# KiCad board squishy.kicad_pcb (continued)
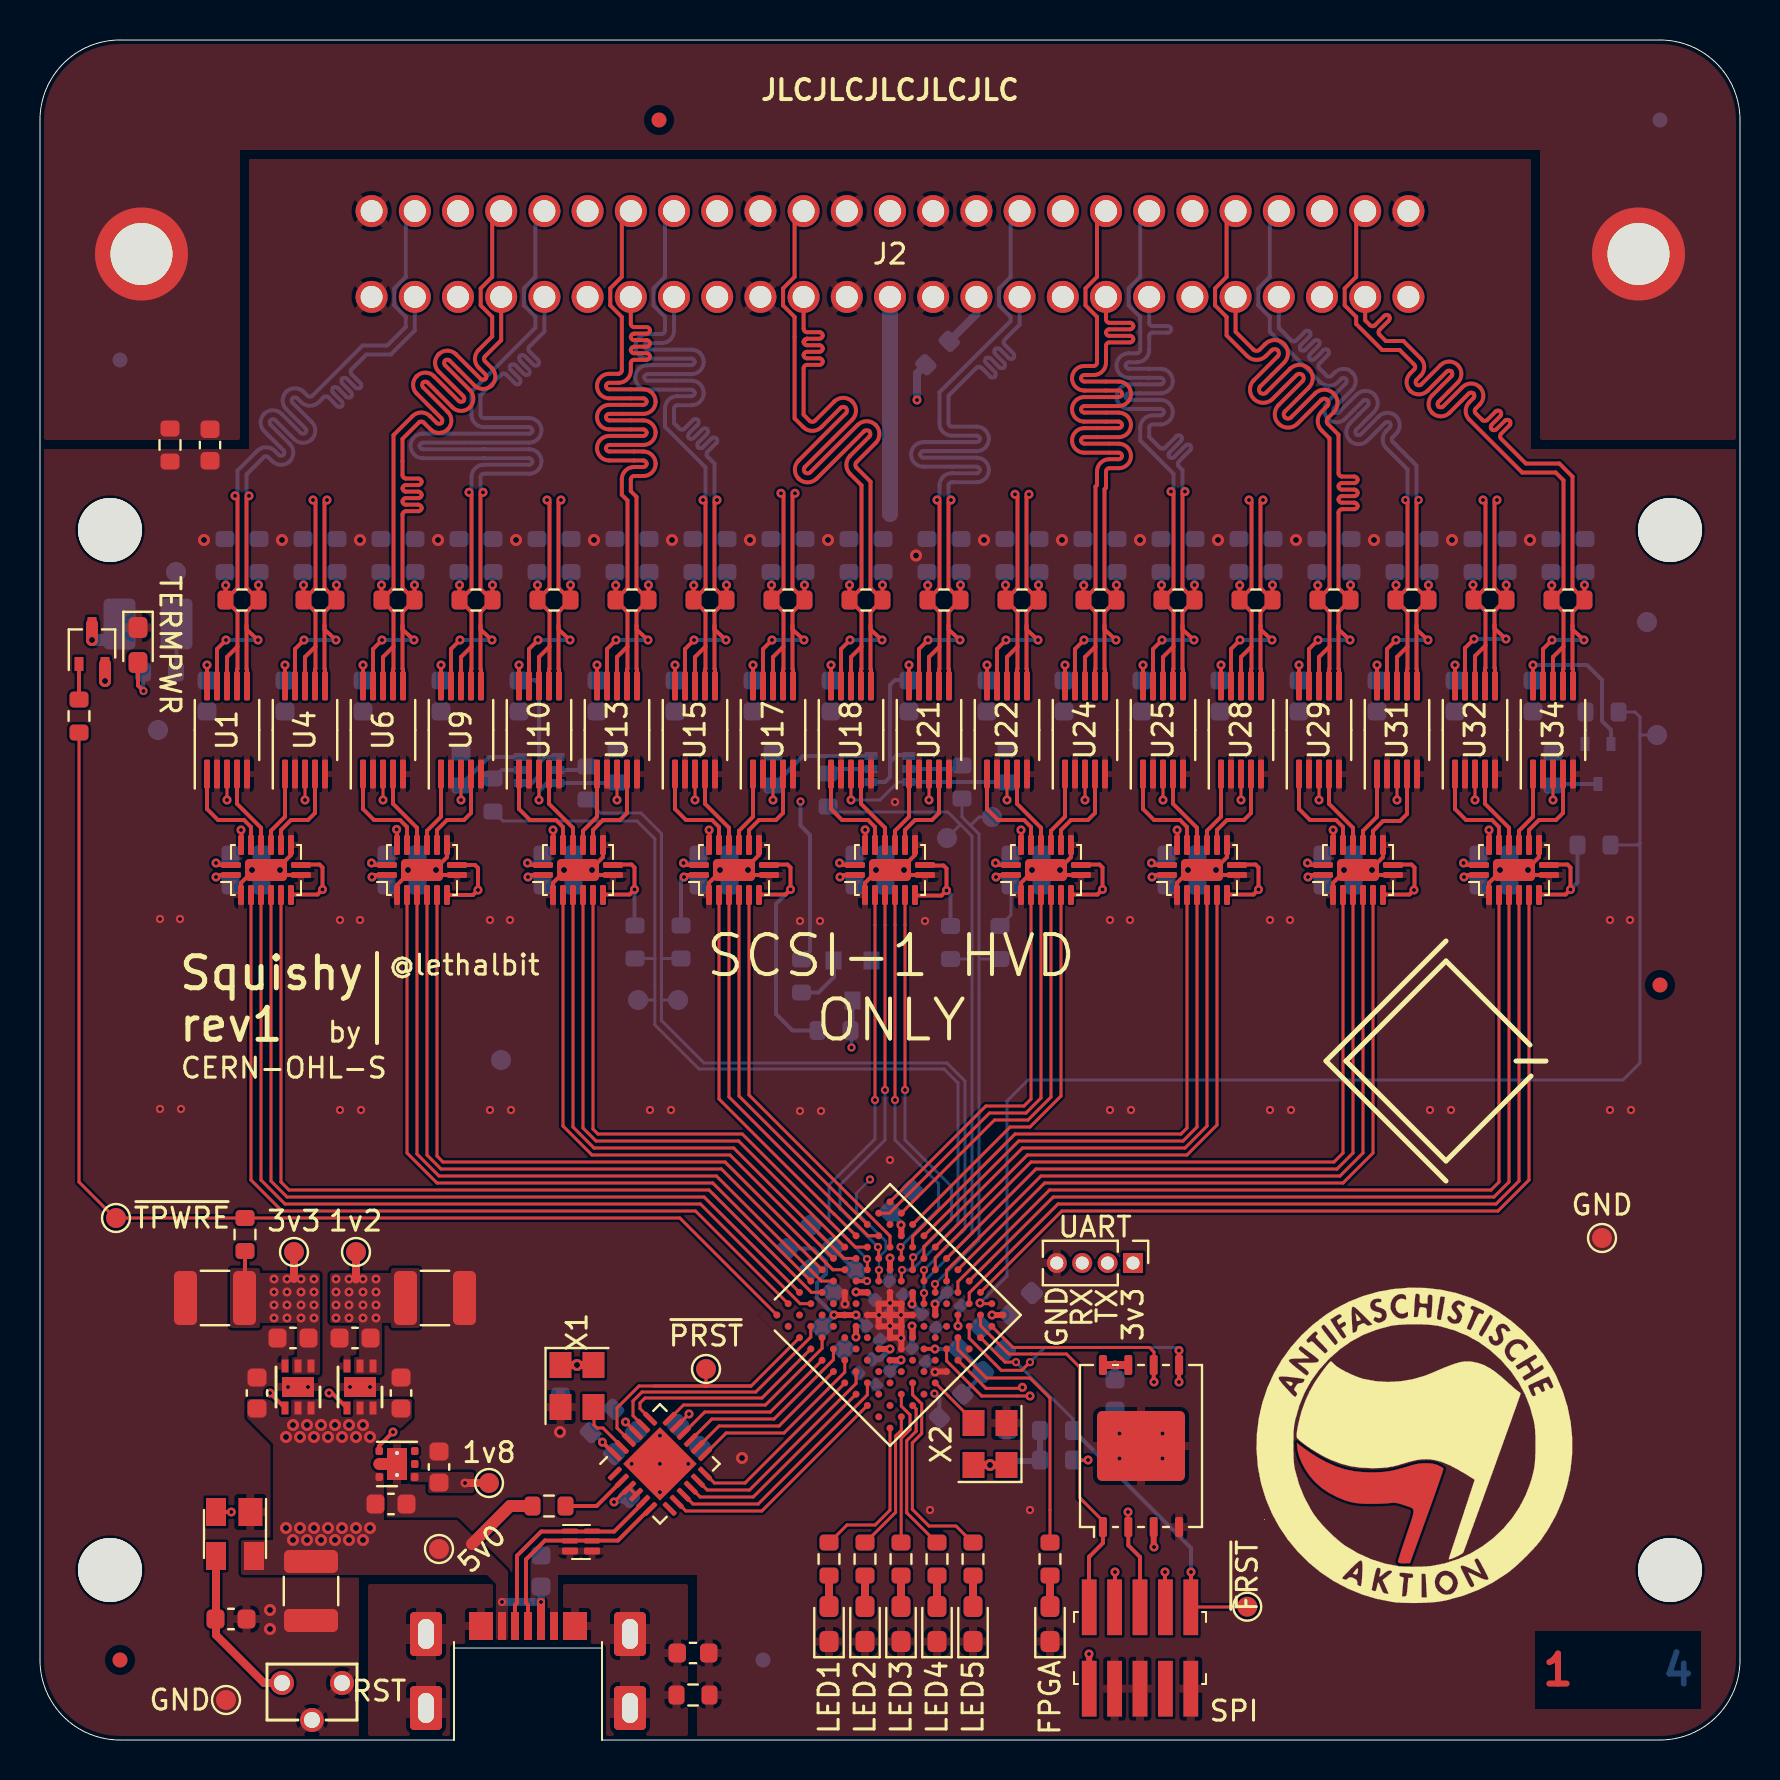
[diagram p0: board, top side]
## Routing (per net, layer and track width the routed paths; a pad name or vN(x,y) marks a point on that pad's centre or on a via; arc(x,y) is an arc through that point) (continued)
  Top w0.3: U19.L11 v2(47.6,21.25) ; U19.E4 40.8,20.1 v2(40.8,20.15) ; U19.C10 43.07,25.73 v2(43.05,25.75) ; J4.1 52.46,4.29 v2(52.45,4.3) ; X2.4 46.66,13.74 ; v2(43.6,21.8) 43.63,21.83 U19.F8 ; U19.G4 42.5,19.55 v2(42.5,19.55) ; v2(55.7,9.65) 55.69,9.66 U26.3 ; v2(43.6,20.7) 43.63,20.67 U19.H6 ; U19.D6 40.82,22.38 v2(40.8,22.4)
  Top w0.4: 46.65,13.75 v1(47.5,13.75) X2.1 ; 27.7,18.75 v1(26.85,18.75) 26,18.75 ; TP1.1 12.7,23.05 ; 54.35,18.75 v2(53.75,18.75) 53.2,18.75
  In1.Cu w0.2: v2(40,43.15) 40,42.55 ; v2(8.8,43.15) 8.8,42.7 ; v2(63.4,43.15) 63.4,42.5 ; v2(71.2,43.15) 71.2,42.6 ; v2(16.6,43.15) 16.6,42.6 ; v2(32.2,43.15) 32.2,42.55 ; v2(24.4,43.15) 24.4,42.6 ; v2(47.8,43.15) 47.8,42.5 ; v2(55.6,43.15) 55.6,42.6
  In1.Cu w0.4: v2(28.7,11.9) 27.35,11.9 26.85,12.4 v1(26.85,18.75) ; 53.75,20.65 49.75,16.65 47.75,16.65 47.5,16.9 ; 53.75,20.65 54.65,21.55 J3.1 ; 53.75,20.65 v2(53.75,18.75) ; v1(26.85,18.75) 26.85,24.25 ; v1(26.85,18.75) 31.85,18.75 32.45,18.15 v2(32.45,16.3) ; 47.5,16.9 45.8,18.6 ; 47.5,16.9 v1(47.5,13.75)
  In2.Cu w0.2: v2(56.86,45.5) 56.86,43.71 56.32,43.17 55.62,43.17 ; 24.43,43.17 25.12,43.17 25.66,43.71 v2(25.65,45.5) ; v2(41.26,45.51) 41.26,43.66 40.72,43.12 40.03,43.12 ; v2(10.05,45.5) 10.06,43.71 9.53,43.17 8.82,43.17 ; v2(64.66,45.5) 64.66,43.71 64.12,43.17 63.43,43.17 ; v2(33.46,45.5) 33.46,43.71 32.93,43.17 32.22,43.17 ; v2(49.05,45.5) 49.06,43.71 48.53,43.17 47.82,43.17 ; v2(16.6,43.15) 17.3,43.15 17.83,43.68 v2(17.83,45.53) ; v2(72.45,45.5) 72.46,43.71 71.93,43.17 71.22,43.17
  In2.Cu w0.3: v2(52.45,4.3) 55.7,7.55 v2(55.7,9.65) 55.05,10.3 55.05,16.3 53.75,17.6 v2(53.75,18.75)
  Bottom w0.152: R37.1 48.55,41.25 48.55,42.75 ; 29.45,12.15 29.2,11.9 v2(28.7,11.9) ; v2(32.45,16.3) 31.9,15.75
  Bottom w0.2: v2(63.4,43.15) 63.7,43.15 64.1,42.75 ; 29.75,40.7 29.72,40.72 v2(29.72,42.52) ; v2(71.2,43.15) 71.5,43.15 71.9,42.75 ; R40.1 45.53,42.27 v2(45.32,42.47) ; v2(37.53,42.52) 36.8,41.8 36.8,36.3 37.62,35.47 R87.1 ; v2(47.8,43.15) 48.1,43.15 48.5,42.75 ; v2(16.6,43.15) 16.9,43.15 17.3,42.75 ; v2(24.4,43.15) 24.7,43.15 25.1,42.75 ; v2(55.6,43.15) 55.9,43.15 56.3,42.75 ; R67.1 32.05,43 v2(32.2,43.15) 32.5,43.15 32.9,42.75 ; R30.1 76.88,42.88 v2(76.53,42.52) ; v2(40,43.15) 40.3,43.15 40.7,42.75 ; v2(8.8,43.15) 9.1,43.15 9.5,42.75
  Bottom w0.3: 50,13.97 49.98,13.95 C29.1 ; v2(42.5,19.55) 41.99,19.04 C44.2 ; v2(43.05,25.75) 43.05,25.85 42.5,26.4 ; 41.8,21.95 41.35,22.4 v2(40.8,22.4) ; v2(43.6,21.8) 44.1,21.3 ; R53.2 50,14.02 50.03,14 ; v2(47.6,21.25) 48.5,21.25 ; v2(43.6,20.7) 43.6,19.6
  Bottom w0.4: 53.75,18.02 v2(53.75,18.75) ; 48.35,13.95 48.15,13.75 v1(47.5,13.75) ; v1(26.85,18.75) 26,18.75
  vias: v2(11.7,23.05) v2(11.7,22.4) v2(11.7,21.75) v2(11.7,21.1) v2(12.35,23.05) v2(12.35,22.4) v2(12.35,21.75) v2(12.35,21.1) v2(13.05,23.05) v2(13.05,22.4) v2(13.05,21.75) v2(13.05,21.1) v2(13.7,23.05) v2(13.7,22.4) v2(13.7,21.75) v2(13.7,21.1) v2(68.7,42.5)
+5V: length 98.9
  Top w0.2: U32.10 v2(70.75,53.75) ; 56.32,43.75 55.68,43.75 v2(55.57,43.85) ; v2(24.38,43.85) 24.47,43.75 25.12,43.75 ; 64.12,43.75 63.47,43.75 v2(63.38,43.85) ; 71.93,43.75 71.28,43.75 v2(71.18,43.85) ; U17.10 v2(35.65,53.75) ; U29.10 v2(62.95,53.75) ; U9.10 v2(20.05,53.75) ; v2(47.78,43.85) 47.88,43.75 48.53,43.75 ; v2(16.57,43.85) 16.68,43.75 17.32,43.75 ; U13.10 v2(27.85,53.75) ; U6.10 v2(16.15,53.75) ; 40.72,43.75 40.07,43.75 v2(39.97,43.85) ; U4.10 v2(12.25,53.75) ; U10.10 v2(23.95,53.75) ; U1.10 v2(8.35,53.75) ; U2.16 8.9,43.75 v2(8.8,43.85) ; U18.10 v2(39.55,53.75) ; U24.10 v2(51.25,53.75) ; U21.10 v2(43.45,53.75) ; U25.10 v2(55.15,53.75) ; 32.93,43.75 32.28,43.75 v2(32.18,43.85) ; U22.10 v2(47.35,53.75) ; U34.10 v2(74.65,53.75) ; U15.10 v2(31.75,53.75) ; U28.10 v2(59.05,53.75) ; U31.10 v2(66.85,53.75)
  Top w0.4: J1.4 v3(25.05,6.9)
  Top w0.6: Q1.2 v1(3.25,52.95) ; R7.2 23.5,11.7 21.6,9.8
  In1.Cu w0.2: v2(8.8,43.85) 8.8,44.35 ; v2(16.57,43.85) 16.57,44.22 ; v2(47.78,43.85) 47.78,44.42 ; 63.3,44.55 63.38,44.47 v2(63.38,43.85) ; v2(39.97,43.85) 39.97,44.38 ; v2(71.18,43.85) 71.18,44.33 ; v2(55.57,43.85) 55.57,44.38 ; v2(24.38,43.85) 24.38,44.33 ; v2(32.18,43.85) 32.18,44.38
  In1.Cu w0.4: v2(43.85,67) 43,66.15 43,54.25
  Bottom w0.2: v2(71.18,43.85) 71.53,43.85 C14.1 ; v2(16.15,53.75) 16.15,53 ; v2(8.8,43.85) 9.15,43.85 9.55,44.25 ; Q2.2 78.55,50.5 78.1,50.95 78.1,53 77.35,53.75 v2(74.65,53.75) 74.65,53 ; v2(16.57,43.85) 16.93,43.85 C64.2 ; C18.1 63.72,43.85 v2(63.38,43.85) ; v2(35.65,53.75) 35.65,53 ; Q3.1 42.25,47.9 42.5,48.15 42.5,48.9 ; v2(47.78,43.85) 48.12,43.85 C27.1 ; v2(70.75,53.75) 70.75,53 ; 42.5,48.9 42.5,52.75 42.75,53 43.4,53 ; 42.5,48.9 42.85,49.25 43.45,49.25 ; v2(47.35,53.75) 47.35,53 ; C51.2 32.53,43.85 v2(32.18,43.85) ; v2(51.25,53.75) 51.25,53 ; v2(8.35,53.75) 8.35,53 ; 24.95,48.85 25.25,49.15 Q4.1 ; 24.95,48.85 24.95,52.8 24.75,53 23.95,53 v2(23.95,53.75) ; 24.95,48.85 24.95,48.2 24.6,47.85 Q4.4 ; v2(55.15,53.75) 55.15,53 ; v2(39.55,53.75) 39.55,53 ; C23.2 55.93,43.85 v2(55.57,43.85) ; v2(39.97,43.85) 40.32,43.85 C43.2 ; v2(59.05,53.75) 59.05,53 ; v2(24.38,43.85) 24.72,43.85 C59.2 ; v2(31.75,53.75) 31.75,53 ; v2(12.25,53.75) 12.25,53 ; v2(20.05,53.75) 20.05,53 ; v2(43.45,53.75) 43.45,53 ; v2(66.85,53.75) 66.85,53 ; v2(62.95,53.75) 62.95,53 ; v2(27.85,53.75) 27.85,53
  Bottom w0.4: C60.2 v3(25.05,6.9) v3(23.1,6.9) ; R77.2 43.85,68.32 v2(43.85,67)
  vias: v1(12.3,15.15) v1(12.3,10.6) v1(12.65,15.75) v1(12.65,10) v1(13,15.15) v1(13,10.6) v1(13.35,15.75) v1(13.35,10) v1(13.7,15.15) v1(13.7,10.6) v1(14.05,10) v1(14.05,15.75) v1(14.4,15.15) v1(14.4,10.6) v1(14.75,15.75) v1(14.75,10) v1(15.1,15.15) v1(15.1,10.6) v1(15.45,15.75) v1(15.45,10) v1(15.8,15.15) v1(15.8,10.6) v1(16.15,15.75) v1(16.15,10) v1(16.5,15.15) v1(16.5,10.6)
/VBUS: length 3.3
  Top w0.2: 26.3,11.7 27.83,11.7 U14.2
GND: length 62.5
  Top w0.2: U16.2 33.45,42.85 34,43.4 v1(34,43.5) ; U27.8 59.05,43.25 v1(58.8,43.5) 58.8,43.6 59.35,44.15 U27.10 ; v1(18.4,43.5) 18.4,43.3 17.85,42.75 U8.2 ; U23.8 51.25,43.25 v1(51,43.5) 51,43.6 51.55,44.15 U23.10 ; U20.8 43.45,43.25 v1(43.2,43.5) 43.2,43.7 43.75,44.25 U20.10 ; U11.10 28.15,44.15 27.6,43.6 v1(27.6,43.5) 27.85,43.25 U11.8 ; v1(65.2,43.5) 65.2,43.4 64.65,42.85 U30.2 ; U8.8 20.05,43.25 v1(19.8,43.5) 19.8,43.6 20.35,44.15 U8.10 ; U16.8 35.65,43.25 v1(35.4,43.5) 35.4,43.7 35.95,44.25 U16.10 ; U33.2 72.45,42.85 73,43.4 v1(73,43.5) ; U33.8 74.65,43.25 v1(74.4,43.5) 74.4,43.6 74.95,44.15 U33.10 ; v1(57.4,43.5) 57.4,43.4 56.85,42.85 U27.2 ; U30.8 66.85,43.25 v1(66.6,43.5) 66.6,43.6 67.15,44.15 U30.10 ; v1(26.2,43.5) 26.2,43.4 25.65,42.85 U11.2 ; U2.10 12.55,44.25 12,43.7 v1(12,43.5) 12.25,43.25 U2.8 ; v1(41.8,43.5) 41.8,43.4 41.25,42.85 U20.2 ; v1(10.6,43.5) 10.6,43.4 10.05,42.85 U2.2 ; U23.2 49.05,42.85 49.6,43.4 v1(49.6,43.5)
  Top w0.3: v2(42.5,20.7) 42.52,20.68 U19.G6 ; v2(42.5,20.7) 42.48,20.68 U19.F5 41.93,21.23 v2(41.95,21.25) ; v2(42.5,20.7) U19.F6 ; v2(42.5,20.7) U19.G5 43.03,20.12 v2(43.05,20.1) ; U19.G7 v2(43.05,21.25) ; v2(43.05,21.25) 43.07,21.23 U19.G6 ; v2(43.05,21.25) U19.F6 ; v2(43.05,21.25) 43.07,21.27 U19.F7 42.53,21.82 v2(42.5,21.85) ; v2(42.5,21.85) U19.E7 ; v2(42.5,21.85) U19.F6 ; v2(42.5,21.85) 42.47,21.82 U19.E6 41.93,21.27 v2(41.95,21.25) ; v2(40.25,21.8) 40.24,21.81 U19.C5 ; v2(41.95,21.25) U19.F6 ; v2(41.95,21.25) U19.E5 ; U19.H5 43.07,20.08 v2(43.05,20.1) ; U19.L6 44.77,18.42 v2(44.75,18.4) ; U19.G6 43.07,20.12 v2(43.05,20.1)
  Top w0.6: U7.5 U7.7
  Bottom w0.2: v1(19.8,43.5) v1(18.4,43.5) ; v1(58.8,43.5) v1(57.4,43.5) ; v1(51,43.5) v1(49.6,43.5) ; v1(27.6,43.5) v1(26.2,43.5) ; v1(12,43.5) v1(10.6,43.5) ; v1(74.4,43.5) v1(73,43.5) ; v1(66.6,43.5) v1(65.2,43.5) ; v1(43.2,43.5) v1(41.8,43.5) ; v1(35.4,43.5) v1(34,43.5)
  vias: v1(8.2,60) v1(11.5,6.5) v1(11.5,5.55) v1(12.1,60) v1(16,60) v1(19.9,60) v1(23.8,60) v1(26,15.4) v1(27.7,60) v1(31.6,60) v1(35.1,14.1) v1(35.5,60) v1(39.4,60) v1(43.8,59.22) v1(47.2,60) v1(51.1,60) v1(55,60) v1(58.9,60) v1(62.8,60) v1(66.7,60) v1(70.6,60) v1(74.5,60) v2(12.4,17.65) v2(13.4,17.65) v2(15.5,17.65) v2(16.5,17.65) v2(29.58,13.81) v2(31,15.22) v2(31,13.81) v2(31,12.39) v2(32.41,13.81) v2(53.97,15.33) v2(53.97,14.08) v2(56.12,15.33) v2(56.12,14.08) v3(6,41.05) v3(6,31.55) v3(7,41.05) v3(7.05,31.55) v3(15,41) v3(15,31.5) v3(16,41) v3(16.05,31.5) v3(22.5,41) v3(22.5,31.5) v3(23.5,41) v3(23.55,31.5) v3(30.5,31.5) v3(31.55,31.5) v3(38,40.95) v3(38,31.45) v3(39,40.95) v3(39.05,31.45) v3(42.5,29) v3(42.75,46.9) v3(44.25,40.95) v3(44.5,11.5) v3(49.5,11.5) v3(53.5,41) v3(53.5,31.5) v3(54.5,41) v3(54.55,31.5) v3(61.5,41) v3(61.5,31.5) v3(62.5,41) v3(62.55,31.5) v3(69.5,31.5) v3(70.55,31.5) v3(78.5,41) v3(78.5,31.5) v3(79.5,41) v3(79.55,31.5)
/CIPO: length 20
  Top w0.152: v2(54.4,11.4) 54.4,10.65 ; v2(45.9,20.7) 45.89,20.71 U19.J9
  Top w0.2: 55,6.7 55,9.15 54.41,9.73 U26.2
  In2.Cu w0.152: v2(45.9,20.7) 48.12,18.48 49.48,18.48 51.97,15.99 51.97,12.27 52.43,11.83 53.97,11.83 v2(54.4,11.4)
/COPI: length 25.3
  Top w0.152: v3(49.5,18.89) 49.09,18.48 48.06,18.48 46.46,20.09 U19.K9 ; v2(56.95,19.47) 56.95,18.75
  Top w0.2: v2(56.95,17.9) 56.96,17.91 U26.5 ; v2(56.25,8.4) 56.25,6.75
  In1.Cu w0.2: v2(56.25,8.4) 56.25,11.75 56.95,12.45 v2(56.95,17.9)
  Bottom w0.152: v2(56.95,19.47) 56.8,19.62 50.23,19.62 v3(49.5,18.89)
/D+: length 10.6
  Top w0.2: U14.6 30.48,11.55 28.9,9.97 25.25,9.97 24.3,9.03 24.3,6.85 24.4,6.75 J1.3
/D-: length 11
  Top w0.2: 30.16,11.87 28.71,10.42 25.06,10.42 23.85,9.21 23.85,6.85 23.75,6.75 J1.2 ; 30.16,11.87 U14.5 30.16,11.87
/DIFF_SENSE: length 40.9
  In2.Cu w0.2: v3(38.03,46.92) 38.03,53.62 40.4,56 42.07,56 43.15,57.08 43.15,68.47 46.82,72.15
  Bottom w0.2: 38.07,39.02 38.5,39.45 38.5,45.25 38.03,45.72 v3(38.03,46.92)
  Bottom w0.4: J2.11 46.82,71.29 45.45,69.92
/FPGA_DONE: length 13.4
  Top w0.152: U19.K8 45.89,19.52 47.32,18.1 49.5,18.1 50.5,17.1 50.5,9.9
/GLOBAL_CLK: length 2.8
  Top w0.152: 46.7,15.9 46.7,15.92 U19.L5
/PHY_BUS.CLK: length 9.3
  Top w0.152: 40.25,17.85 35.25,12.85 33.72,12.85 U14.12
/PHY_BUS.D0: length 8.4
  Top w0.152: U14.16 33.24,16.4 36.52,16.4 U19.E1
/PHY_BUS.D1: length 9.3
  Top w0.152: U14.15 33.59,16.05 36.7,16.05 39.67,19.02 U19.E2
/PHY_BUS.D2: length 8.3
  Top w0.152: U14.14 33.95,15.7 36.95,15.7 U19.F1
/PHY_BUS.D3: length 9.3
  Top w0.152: U19.F2 40.24,18.39 37.2,15.35 34.31,15.35 U14.13
/PHY_BUS.D4: length 10.9
  Top w0.152: U14.11 33.36,12.5 35.48,12.5 40.8,17.82 U19.G2
/PHY_BUS.D5: length 10.6
  Top w0.152: U14.10 33.01,12.15 35.66,12.15 U19.H1
/PHY_BUS.D6: length 12.2
  Top w0.152: U14.9 32.65,11.8 35.91,11.8 41.37,17.26 U19.H2
/PHY_BUS.D7: length 11.9
  Top w0.152: U14.8 32.29,11.45 36.09,11.45 U19.J1
/PHY_BUS.DIR: length 10.7
  Top w0.152: U19.D1 37.5,18.51 37.5,18.5 36.1,17.1 30.25,17.1 30,16.85 30,16.57 U14.19
/PHY_BUS.NXT: length 9.6
  Top w0.152: U19.D2 39.11,19.58 36.27,16.75 32.17,16.75 U14.18
/PHY_BUS.STP: length 12.2
  Top w0.152: U19.C2 38.54,20.15 35.79,17.4 30.1,17.4 29.65,16.95 29.65,16.21 U14.20
/PHY_RCLK: length 2.8
  Top w0.152: 27.7,16.65 27.7,15.75 27.85,15.6 28.15,15.6 29.1,14.65 U14.23
/Power Supply/PSU_EN: length 18.1
  Top w0.2: U5.4 14.6,17.35 v2(14.45,17.35) ; v2(17.65,15.4) 16.96,14.71 U7.4 ; U3.4 v2(11.5,17.35) ; U35.2 v2(9.57,11.4)
  In2.Cu w0.2: v2(17.65,15.4) 15.85,17.2 14.6,17.2 v2(14.45,17.35) 14.3,17.2 11.65,17.2 v2(11.5,17.35) 9.57,15.42 v2(9.57,11.4)
/S1: length 7.9
  Top w0.152: 39.4,9.8 40.35,10.75 41.76,10.75 42.5,11.49 U19.L1
/S2: length 7.1
  Top w0.152: 41.25,9.85 42.78,11.38 42.78,15.2 43.07,15.49 U19.L2
/S3: length 7.8
  Top w0.152: 43.06,9.86 43.06,15.08 43.5,15.53 43.5,16.26 43.07,16.69 U19.K3
/S4: length 7.8
  Top w0.152: U19.L3 43.81,16.55 43.81,15.44 43.34,14.97 43.34,11.36 44.85,9.85
/S5: length 10.4
  Top w0.152: 46.65,9.85 45.8,10.7 44.45,10.7 43.62,11.53 43.62,14.85 44.09,15.32 44.09,16.81 43.63,17.26 U19.K4
/SCSI Transceiver/AA_EN: length 18.9
  Top w0.152: U15.3 v2(32.75,47) ; U18.3 v2(40.55,47)
  In2.Cu w0.152: v2(40.55,47) 40,46.45 33.3,46.45 v2(32.75,47)
  Bottom w0.152: v2(40.55,47) 42,47 42.9,47.9 Q3.6
  Bottom w0.2: Q3.6 48.25,47.9
/SCSI Transceiver/ACK_RX: length 5.3
  Top w0.2: U16.14 33.95,45.65 33.6,46 32.3,46 31.75,46.55 31.75,48.35
/SCSI Transceiver/ACK_TX: length 4
  Top w0.2: U15.4 33.25,46.81 34.45,45.61 U16.13
/SCSI Transceiver/ATN_RX: length 5.3
  Top w0.2: 39.55,48.35 39.55,46.55 40.1,46 41.4,46 41.75,45.65 U20.14
/SCSI Transceiver/ATN_TX: length 4
  Top w0.2: U20.13 42.25,45.61 41.05,46.81 U18.4
/SCSI Transceiver/BSY_EN: length 7.5
  Top w0.152: U17.3 v2(36.65,47)
  Bottom w0.152: v2(36.65,47) 36.65,47.75
  Bottom w0.2: 36.7,47.75 38.15,49.2 Q3.3
/SCSI Transceiver/BSY_RX: length 3.8
  Top w0.2: U17.1 35.65,46.16 34.95,45.46 U16.12
/SCSI Transceiver/BSY_TX: length 4.8
  Top w0.2: U16.11 35.45,45.5 35.95,46 36.8,46 37.15,46.35 U17.4
/SCSI Transceiver/CD_RX: length 5.3
  Top w0.2: 16.15,48.35 16.15,46.55 16.7,46 18,46 18.35,45.65 U8.14
/SCSI Transceiver/CD_TX: length 4
  Top w0.2: U6.4 17.65,46.81 18.85,45.61 U8.13
/SCSI Transceiver/DB0_RX: length 3.8
  Top w0.2: U33.12 73.95,45.46 74.65,46.16 U34.1
/SCSI Transceiver/DB0_TX: length 4.8
  Top w0.2: U34.4 76.15,46.35 75.8,46 74.95,46 74.45,45.5 U33.11
/SCSI Transceiver/DB1_RX: length 5.3
  Top w0.2: 70.75,48.35 70.75,46.55 71.3,46 72.6,46 72.95,45.65 U33.14
/SCSI Transceiver/DB1_TX: length 4
  Top w0.2: U33.13 73.45,45.61 72.25,46.81 U32.4
/SCSI Transceiver/DB2_RX: length 3.8
  Top w0.2: U30.12 66.15,45.46 66.85,46.16 U31.1
/SCSI Transceiver/DB2_TX: length 4.8
  Top w0.2: 68.35,48.25 68.35,46.3 68,45.95 67.15,45.95 66.65,45.45 66.65,44.7
/SCSI Transceiver/DB3_RX: length 5.3
  Top w0.2: U30.14 65.15,45.65 64.8,46 63.5,46 62.95,46.55 62.95,48.35
/SCSI Transceiver/DB3_TX: length 4
  Top w0.2: U30.13 65.65,45.61 64.45,46.81 U29.4
/SCSI Transceiver/DB4_RX: length 3.8
  Top w0.2: U27.12 58.35,45.46 59.05,46.16 U28.1
/SCSI Transceiver/DB4_TX: length 4.8
  Top w0.2: U28.4 60.55,46.35 60.2,46 59.35,46 58.85,45.5 U27.11
/SCSI Transceiver/DB5_RX: length 5.3
  Top w0.2: U27.14 57.35,45.65 57,46 55.7,46 55.15,46.55 55.15,48.35
/SCSI Transceiver/DB5_TX: length 4
  Top w0.2: U25.4 56.65,46.81 57.85,45.61 U27.13
/SCSI Transceiver/DB6_RX: length 3.8
  Top w0.2: 51.25,48.3 51.25,46.16 50.55,45.46 50.55,44.75
/SCSI Transceiver/DB6_TX: length 4.8
  Top w0.2: U23.11 51.05,45.5 51.55,46 52.4,46 52.75,46.35 U24.4
/SCSI Transceiver/DB7_RX: length 5.3
  Top w0.2: U23.14 49.55,45.65 49.2,46 47.9,46 47.35,46.55 47.35,48.35
/SCSI Transceiver/DB7_TX: length 4
  Top w0.2: U23.13 50.05,45.61 48.85,46.81 U22.4
/SCSI Transceiver/DBP_RX: length 3.8
  Top w0.2: U21.1 43.45,46.16 42.75,45.46 U20.12
/SCSI Transceiver/DBP_TX: length 4.8
  Top w0.2: U20.11 43.25,45.5 43.75,46 44.6,46 44.95,46.35 U21.4
/SCSI Transceiver/IO_RX: length 5.3
  Top w0.2: U2.14 10.55,45.65 10.2,46 8.9,46 8.35,46.55 8.35,48.35
/SCSI Transceiver/IO_TX: length 4
  Top w0.2: U2.13 11.05,45.61 9.85,46.81 U1.4
/SCSI Transceiver/MR_EN: length 27.3
  Top w0.152: U4.3 v2(13.25,47) ; U10.3 v2(24.95,47) ; U1.3 v2(9.35,47) ; U6.3 v2(17.15,47)
  In2.Cu w0.152: 13.95,46.5 17.65,46.5 ; 13.95,46.5 13.75,46.5 v2(13.25,47) ; 13.95,46.5 9.85,46.5 v2(9.35,47) ; 17.65,46.5 v2(17.15,47) ; 17.65,46.5 24.45,46.5 v2(24.95,47)
  Bottom w0.2: v2(24.95,47) 24.95,47.45 25.35,47.85 Q4.3 28.8,47.85
/SCSI Transceiver/MSG_RX: length 5.3
  Top w0.2: 23.95,48.35 23.95,46.55 24.5,46 25.8,46 26.15,45.65 U11.14
/SCSI Transceiver/MSG_TX: length 4
  Top w0.2: U11.13 26.65,45.61 25.45,46.81 U10.4
/SCSI Transceiver/REQ_RX: length 3.8
  Top w0.2: U4.1 12.25,46.16 11.55,45.46 U2.12
/SCSI Transceiver/REQ_TX: length 4.8
  Top w0.2: U4.4 13.75,46.35 13.4,46 12.55,46 12.05,45.5 U2.11
/SCSI Transceiver/RST_RX: length 3.8
  Top w0.2: U11.12 27.15,45.46 27.85,46.16 U13.1
/SCSI Transceiver/RST_TX: length 4.8
  Top w0.2: U13.4 29.35,46.35 29,46 28.15,46 27.65,45.5 U11.11
/SCSI Transceiver/SEL_EN: length 5.6
  Top w0.152: U9.3 v2(21.05,47)
  Bottom w0.152: v2(21.05,47) 21.05,47.7
  Bottom w0.2: Q4.6 22.45,49.15 21,47.7
/SCSI Transceiver/SEL_RX: length 3.8
  Top w0.2: U9.1 20.05,46.16 19.35,45.46 U8.12
